# Altium PCB PCB1.PcbDoc (part 6 of 6)
Units mil, origin at the board's own origin, x right, y up, seen from the top; angles counter-clockwise.
Board outline 6000 x 4000 mil, 2 copper layers (Top Layer, Bottom Layer); 1225 components, 1503 nets, 4471 pads, 66 vias.
Unrouted connection lines stored in the file: 2021.
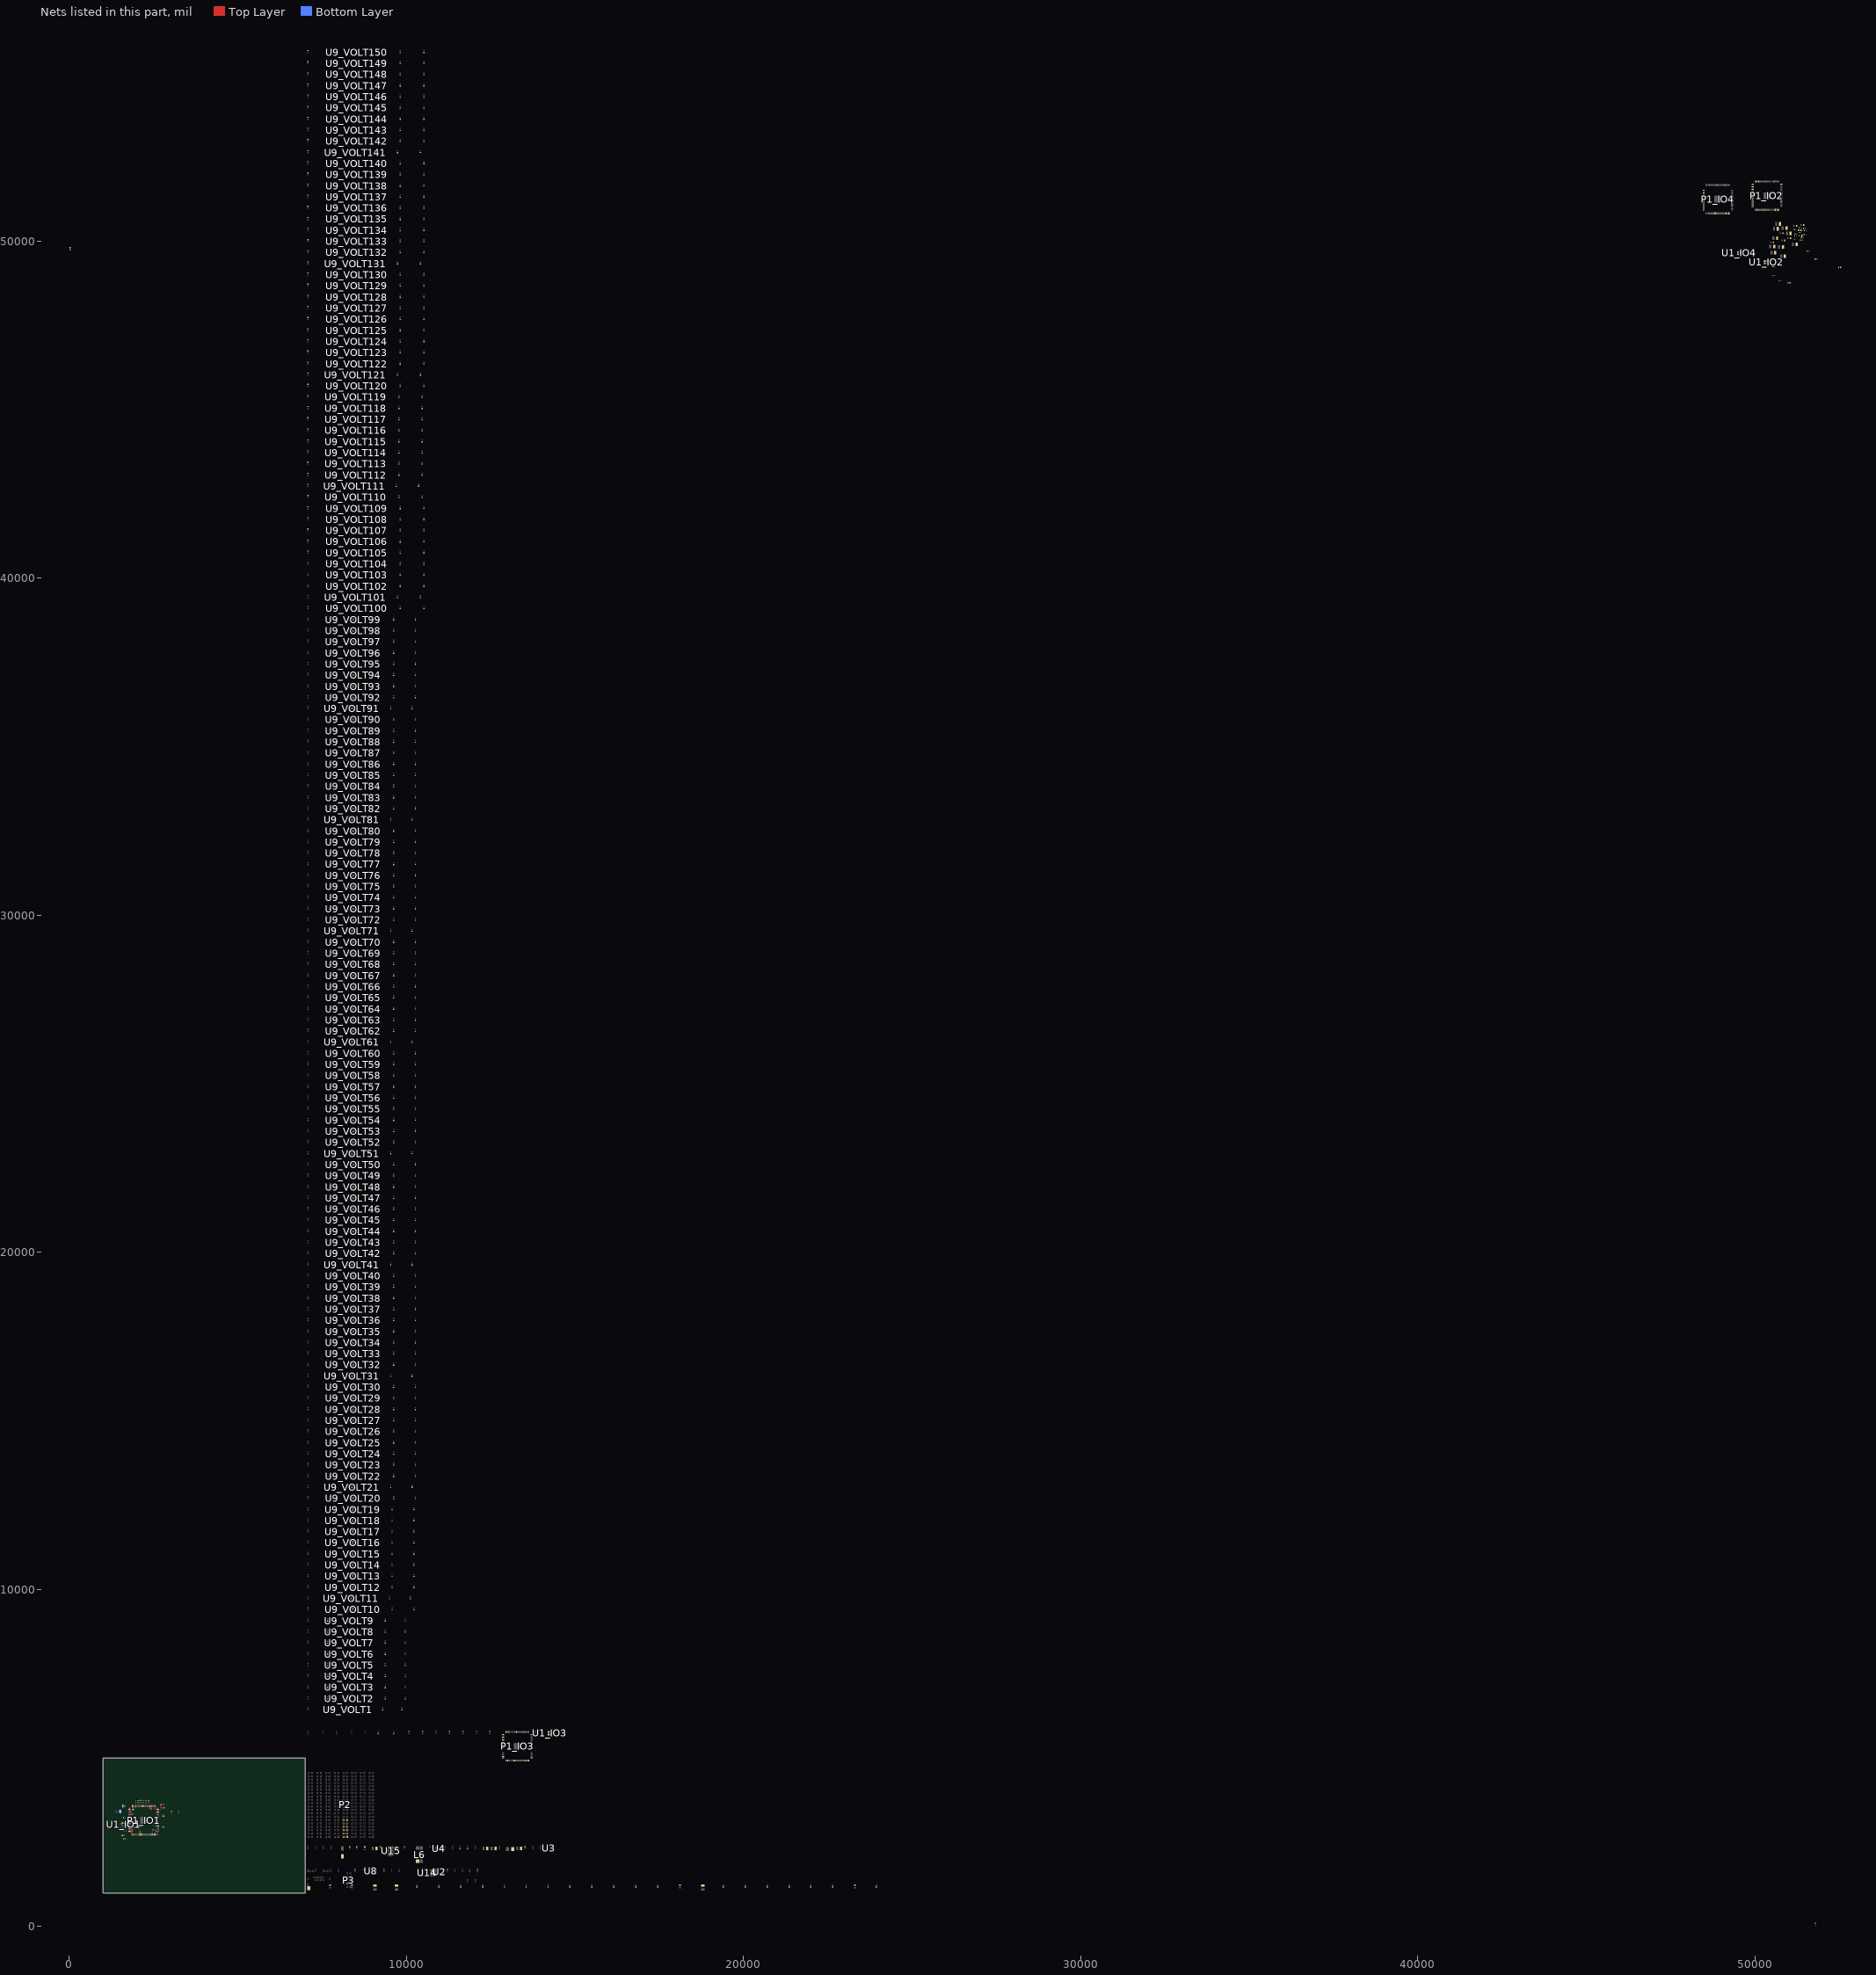
[diagram p6: the nets of this part, all layers, seen from the top]

## Via types
v1: diameter 24, hole 12, Top Layer to Bottom Layer, 66 vias

## Nets (pads, with @x,y where several pads share a name; then routed paths per layer and width w, separated by ;. In a path a pad name is that pad's centre, name@x,y a point inside that pad or via, vN(x,y) a via of type N, cw(c..) or ccw(c..) an arc to the next point about the centre after c; other vN are vias at no path point) (continued)
V_IN_1_VOLT105: R28_VOLT105.1
V_IN_1_VOLT106: R28_VOLT106.1
V_IN_1_VOLT107: R28_VOLT107.1
V_IN_1_VOLT108: R28_VOLT108.1
V_IN_1_VOLT109: R28_VOLT109.1
V_IN_1_VOLT110: R28_VOLT110.1
V_IN_1_VOLT111: R28_VOLT111.1
V_IN_1_VOLT112: R28_VOLT112.1
V_IN_1_VOLT113: R28_VOLT113.1
V_IN_1_VOLT114: R28_VOLT114.1
V_IN_1_VOLT115: R28_VOLT115.1
V_IN_1_VOLT116: R28_VOLT116.1
V_IN_1_VOLT117: R28_VOLT117.1
V_IN_1_VOLT118: R28_VOLT118.1
V_IN_1_VOLT119: R28_VOLT119.1
V_IN_1_VOLT120: R28_VOLT120.1
V_IN_1_VOLT121: R28_VOLT121.1
V_IN_1_VOLT122: R28_VOLT122.1
V_IN_1_VOLT123: R28_VOLT123.1
V_IN_1_VOLT124: R28_VOLT124.1
V_IN_1_VOLT125: R28_VOLT125.1
V_IN_1_VOLT126: R28_VOLT126.1
V_IN_1_VOLT127: R28_VOLT127.1
V_IN_1_VOLT128: R28_VOLT128.1
V_IN_1_VOLT129: R28_VOLT129.1
V_IN_1_VOLT130: R28_VOLT130.1
V_IN_1_VOLT131: R28_VOLT131.1
V_IN_1_VOLT132: R28_VOLT132.1
V_IN_1_VOLT133: R28_VOLT133.1
V_IN_1_VOLT134: R28_VOLT134.1
V_IN_1_VOLT135: R28_VOLT135.1
V_IN_1_VOLT136: R28_VOLT136.1
V_IN_1_VOLT137: R28_VOLT137.1
V_IN_1_VOLT138: R28_VOLT138.1
V_IN_1_VOLT139: R28_VOLT139.1
V_IN_1_VOLT140: R28_VOLT140.1
V_IN_1_VOLT141: R28_VOLT141.1
V_IN_1_VOLT142: R28_VOLT142.1
V_IN_1_VOLT143: R28_VOLT143.1
V_IN_1_VOLT144: R28_VOLT144.1
V_IN_1_VOLT145: R28_VOLT145.1
V_IN_1_VOLT146: R28_VOLT146.1
V_IN_1_VOLT147: R28_VOLT147.1
V_IN_1_VOLT148: R28_VOLT148.1
V_IN_1_VOLT149: R28_VOLT149.1
V_IN_1_VOLT150: R28_VOLT150.1
V_OUT_0_VOLT1: R27_VOLT1.2
V_OUT_0_VOLT2: R27_VOLT2.2
V_OUT_0_VOLT3: R27_VOLT3.2
V_OUT_0_VOLT4: R27_VOLT4.2
V_OUT_0_VOLT5: R27_VOLT5.2
V_OUT_0_VOLT6: R27_VOLT6.2
V_OUT_0_VOLT7: R27_VOLT7.2
V_OUT_0_VOLT8: R27_VOLT8.2
V_OUT_0_VOLT9: R27_VOLT9.2
V_OUT_0_VOLT10: R27_VOLT10.2
V_OUT_0_VOLT11: R27_VOLT11.2
V_OUT_0_VOLT12: R27_VOLT12.2
V_OUT_0_VOLT13: R27_VOLT13.2
V_OUT_0_VOLT14: R27_VOLT14.2
V_OUT_0_VOLT15: R27_VOLT15.2
V_OUT_0_VOLT16: R27_VOLT16.2
V_OUT_0_VOLT17: R27_VOLT17.2
V_OUT_0_VOLT18: R27_VOLT18.2
V_OUT_0_VOLT19: R27_VOLT19.2
V_OUT_0_VOLT20: R27_VOLT20.2
V_OUT_0_VOLT21: R27_VOLT21.2
V_OUT_0_VOLT22: R27_VOLT22.2
V_OUT_0_VOLT23: R27_VOLT23.2
V_OUT_0_VOLT24: R27_VOLT24.2
V_OUT_0_VOLT25: R27_VOLT25.2
V_OUT_0_VOLT26: R27_VOLT26.2
V_OUT_0_VOLT27: R27_VOLT27.2
V_OUT_0_VOLT28: R27_VOLT28.2
V_OUT_0_VOLT29: R27_VOLT29.2
V_OUT_0_VOLT30: R27_VOLT30.2
V_OUT_0_VOLT31: R27_VOLT31.2
V_OUT_0_VOLT32: R27_VOLT32.2
V_OUT_0_VOLT33: R27_VOLT33.2
V_OUT_0_VOLT34: R27_VOLT34.2
V_OUT_0_VOLT35: R27_VOLT35.2
V_OUT_0_VOLT36: R27_VOLT36.2
V_OUT_0_VOLT37: R27_VOLT37.2
V_OUT_0_VOLT38: R27_VOLT38.2
V_OUT_0_VOLT39: R27_VOLT39.2
V_OUT_0_VOLT40: R27_VOLT40.2
V_OUT_0_VOLT41: R27_VOLT41.2
V_OUT_0_VOLT42: R27_VOLT42.2
V_OUT_0_VOLT43: R27_VOLT43.2
V_OUT_0_VOLT44: R27_VOLT44.2
V_OUT_0_VOLT45: R27_VOLT45.2
V_OUT_0_VOLT46: R27_VOLT46.2
V_OUT_0_VOLT47: R27_VOLT47.2
V_OUT_0_VOLT48: R27_VOLT48.2
V_OUT_0_VOLT49: R27_VOLT49.2
V_OUT_0_VOLT50: R27_VOLT50.2
V_OUT_0_VOLT51: R27_VOLT51.2
V_OUT_0_VOLT52: R27_VOLT52.2
V_OUT_0_VOLT53: R27_VOLT53.2
V_OUT_0_VOLT54: R27_VOLT54.2
V_OUT_0_VOLT55: R27_VOLT55.2
V_OUT_0_VOLT56: R27_VOLT56.2
V_OUT_0_VOLT57: R27_VOLT57.2
V_OUT_0_VOLT58: R27_VOLT58.2
V_OUT_0_VOLT59: R27_VOLT59.2
V_OUT_0_VOLT60: R27_VOLT60.2
V_OUT_0_VOLT61: R27_VOLT61.2
V_OUT_0_VOLT62: R27_VOLT62.2
V_OUT_0_VOLT63: R27_VOLT63.2
V_OUT_0_VOLT64: R27_VOLT64.2
V_OUT_0_VOLT65: R27_VOLT65.2
V_OUT_0_VOLT66: R27_VOLT66.2
V_OUT_0_VOLT67: R27_VOLT67.2
V_OUT_0_VOLT68: R27_VOLT68.2
V_OUT_0_VOLT69: R27_VOLT69.2
V_OUT_0_VOLT70: R27_VOLT70.2
V_OUT_0_VOLT71: R27_VOLT71.2
V_OUT_0_VOLT72: R27_VOLT72.2
V_OUT_0_VOLT73: R27_VOLT73.2
V_OUT_0_VOLT74: R27_VOLT74.2
V_OUT_0_VOLT75: R27_VOLT75.2
V_OUT_0_VOLT76: R27_VOLT76.2
V_OUT_0_VOLT77: R27_VOLT77.2
V_OUT_0_VOLT78: R27_VOLT78.2
V_OUT_0_VOLT79: R27_VOLT79.2
V_OUT_0_VOLT80: R27_VOLT80.2
V_OUT_0_VOLT81: R27_VOLT81.2
V_OUT_0_VOLT82: R27_VOLT82.2
V_OUT_0_VOLT83: R27_VOLT83.2
V_OUT_0_VOLT84: R27_VOLT84.2
V_OUT_0_VOLT85: R27_VOLT85.2
V_OUT_0_VOLT86: R27_VOLT86.2
V_OUT_0_VOLT87: R27_VOLT87.2
V_OUT_0_VOLT88: R27_VOLT88.2
V_OUT_0_VOLT89: R27_VOLT89.2
V_OUT_0_VOLT90: R27_VOLT90.2
V_OUT_0_VOLT91: R27_VOLT91.2
V_OUT_0_VOLT92: R27_VOLT92.2
V_OUT_0_VOLT93: R27_VOLT93.2
V_OUT_0_VOLT94: R27_VOLT94.2
V_OUT_0_VOLT95: R27_VOLT95.2
V_OUT_0_VOLT96: R27_VOLT96.2
V_OUT_0_VOLT97: R27_VOLT97.2
V_OUT_0_VOLT98: R27_VOLT98.2
V_OUT_0_VOLT99: R27_VOLT99.2
V_OUT_0_VOLT100: R27_VOLT100.2
V_OUT_0_VOLT101: R27_VOLT101.2
V_OUT_0_VOLT102: R27_VOLT102.2
V_OUT_0_VOLT103: R27_VOLT103.2
V_OUT_0_VOLT104: R27_VOLT104.2
V_OUT_0_VOLT105: R27_VOLT105.2
V_OUT_0_VOLT106: R27_VOLT106.2
V_OUT_0_VOLT107: R27_VOLT107.2
V_OUT_0_VOLT108: R27_VOLT108.2
V_OUT_0_VOLT109: R27_VOLT109.2
V_OUT_0_VOLT110: R27_VOLT110.2
V_OUT_0_VOLT111: R27_VOLT111.2
V_OUT_0_VOLT112: R27_VOLT112.2
V_OUT_0_VOLT113: R27_VOLT113.2
V_OUT_0_VOLT114: R27_VOLT114.2
V_OUT_0_VOLT115: R27_VOLT115.2
V_OUT_0_VOLT116: R27_VOLT116.2
V_OUT_0_VOLT117: R27_VOLT117.2
V_OUT_0_VOLT118: R27_VOLT118.2
V_OUT_0_VOLT119: R27_VOLT119.2
V_OUT_0_VOLT120: R27_VOLT120.2
V_OUT_0_VOLT121: R27_VOLT121.2
V_OUT_0_VOLT122: R27_VOLT122.2
V_OUT_0_VOLT123: R27_VOLT123.2
V_OUT_0_VOLT124: R27_VOLT124.2
V_OUT_0_VOLT125: R27_VOLT125.2
V_OUT_0_VOLT126: R27_VOLT126.2
V_OUT_0_VOLT127: R27_VOLT127.2
V_OUT_0_VOLT128: R27_VOLT128.2
V_OUT_0_VOLT129: R27_VOLT129.2
V_OUT_0_VOLT130: R27_VOLT130.2
V_OUT_0_VOLT131: R27_VOLT131.2
V_OUT_0_VOLT132: R27_VOLT132.2
V_OUT_0_VOLT133: R27_VOLT133.2
V_OUT_0_VOLT134: R27_VOLT134.2
V_OUT_0_VOLT135: R27_VOLT135.2
V_OUT_0_VOLT136: R27_VOLT136.2
V_OUT_0_VOLT137: R27_VOLT137.2
V_OUT_0_VOLT138: R27_VOLT138.2
V_OUT_0_VOLT139: R27_VOLT139.2
V_OUT_0_VOLT140: R27_VOLT140.2
V_OUT_0_VOLT141: R27_VOLT141.2
V_OUT_0_VOLT142: R27_VOLT142.2
V_OUT_0_VOLT143: R27_VOLT143.2
V_OUT_0_VOLT144: R27_VOLT144.2
V_OUT_0_VOLT145: R27_VOLT145.2
V_OUT_0_VOLT146: R27_VOLT146.2
V_OUT_0_VOLT147: R27_VOLT147.2
V_OUT_0_VOLT148: R27_VOLT148.2
V_OUT_0_VOLT149: R27_VOLT149.2
V_OUT_0_VOLT150: R27_VOLT150.2
V_OUT_1_VOLT1: R29_VOLT1.2
V_OUT_1_VOLT2: R29_VOLT2.2
V_OUT_1_VOLT3: R29_VOLT3.2
V_OUT_1_VOLT4: R29_VOLT4.2
V_OUT_1_VOLT5: R29_VOLT5.2
V_OUT_1_VOLT6: R29_VOLT6.2
V_OUT_1_VOLT7: R29_VOLT7.2
V_OUT_1_VOLT8: R29_VOLT8.2
V_OUT_1_VOLT9: R29_VOLT9.2
V_OUT_1_VOLT10: R29_VOLT10.2
V_OUT_1_VOLT11: R29_VOLT11.2
V_OUT_1_VOLT12: R29_VOLT12.2
V_OUT_1_VOLT13: R29_VOLT13.2
V_OUT_1_VOLT14: R29_VOLT14.2
V_OUT_1_VOLT15: R29_VOLT15.2
V_OUT_1_VOLT16: R29_VOLT16.2
V_OUT_1_VOLT17: R29_VOLT17.2
V_OUT_1_VOLT18: R29_VOLT18.2
V_OUT_1_VOLT19: R29_VOLT19.2
V_OUT_1_VOLT20: R29_VOLT20.2
V_OUT_1_VOLT21: R29_VOLT21.2
V_OUT_1_VOLT22: R29_VOLT22.2
V_OUT_1_VOLT23: R29_VOLT23.2
V_OUT_1_VOLT24: R29_VOLT24.2
V_OUT_1_VOLT25: R29_VOLT25.2
V_OUT_1_VOLT26: R29_VOLT26.2
V_OUT_1_VOLT27: R29_VOLT27.2
V_OUT_1_VOLT28: R29_VOLT28.2
V_OUT_1_VOLT29: R29_VOLT29.2
V_OUT_1_VOLT30: R29_VOLT30.2
V_OUT_1_VOLT31: R29_VOLT31.2
V_OUT_1_VOLT32: R29_VOLT32.2
V_OUT_1_VOLT33: R29_VOLT33.2
V_OUT_1_VOLT34: R29_VOLT34.2
V_OUT_1_VOLT35: R29_VOLT35.2
V_OUT_1_VOLT36: R29_VOLT36.2
V_OUT_1_VOLT37: R29_VOLT37.2
V_OUT_1_VOLT38: R29_VOLT38.2
V_OUT_1_VOLT39: R29_VOLT39.2
V_OUT_1_VOLT40: R29_VOLT40.2
V_OUT_1_VOLT41: R29_VOLT41.2
V_OUT_1_VOLT42: R29_VOLT42.2
V_OUT_1_VOLT43: R29_VOLT43.2
V_OUT_1_VOLT44: R29_VOLT44.2
V_OUT_1_VOLT45: R29_VOLT45.2
V_OUT_1_VOLT46: R29_VOLT46.2
V_OUT_1_VOLT47: R29_VOLT47.2
V_OUT_1_VOLT48: R29_VOLT48.2
V_OUT_1_VOLT49: R29_VOLT49.2
V_OUT_1_VOLT50: R29_VOLT50.2
V_OUT_1_VOLT51: R29_VOLT51.2
V_OUT_1_VOLT52: R29_VOLT52.2
V_OUT_1_VOLT53: R29_VOLT53.2
V_OUT_1_VOLT54: R29_VOLT54.2
V_OUT_1_VOLT55: R29_VOLT55.2
V_OUT_1_VOLT56: R29_VOLT56.2
V_OUT_1_VOLT57: R29_VOLT57.2
V_OUT_1_VOLT58: R29_VOLT58.2
V_OUT_1_VOLT59: R29_VOLT59.2
V_OUT_1_VOLT60: R29_VOLT60.2
V_OUT_1_VOLT61: R29_VOLT61.2
V_OUT_1_VOLT62: R29_VOLT62.2
V_OUT_1_VOLT63: R29_VOLT63.2
V_OUT_1_VOLT64: R29_VOLT64.2
V_OUT_1_VOLT65: R29_VOLT65.2
V_OUT_1_VOLT66: R29_VOLT66.2
V_OUT_1_VOLT67: R29_VOLT67.2
V_OUT_1_VOLT68: R29_VOLT68.2
V_OUT_1_VOLT69: R29_VOLT69.2
V_OUT_1_VOLT70: R29_VOLT70.2
V_OUT_1_VOLT71: R29_VOLT71.2
V_OUT_1_VOLT72: R29_VOLT72.2
V_OUT_1_VOLT73: R29_VOLT73.2
V_OUT_1_VOLT74: R29_VOLT74.2
V_OUT_1_VOLT75: R29_VOLT75.2
V_OUT_1_VOLT76: R29_VOLT76.2
V_OUT_1_VOLT77: R29_VOLT77.2
V_OUT_1_VOLT78: R29_VOLT78.2
V_OUT_1_VOLT79: R29_VOLT79.2
V_OUT_1_VOLT80: R29_VOLT80.2
V_OUT_1_VOLT81: R29_VOLT81.2
V_OUT_1_VOLT82: R29_VOLT82.2
V_OUT_1_VOLT83: R29_VOLT83.2
V_OUT_1_VOLT84: R29_VOLT84.2
V_OUT_1_VOLT85: R29_VOLT85.2
V_OUT_1_VOLT86: R29_VOLT86.2
V_OUT_1_VOLT87: R29_VOLT87.2
V_OUT_1_VOLT88: R29_VOLT88.2
V_OUT_1_VOLT89: R29_VOLT89.2
V_OUT_1_VOLT90: R29_VOLT90.2
V_OUT_1_VOLT91: R29_VOLT91.2
V_OUT_1_VOLT92: R29_VOLT92.2
V_OUT_1_VOLT93: R29_VOLT93.2
V_OUT_1_VOLT94: R29_VOLT94.2
V_OUT_1_VOLT95: R29_VOLT95.2
V_OUT_1_VOLT96: R29_VOLT96.2
V_OUT_1_VOLT97: R29_VOLT97.2
V_OUT_1_VOLT98: R29_VOLT98.2
V_OUT_1_VOLT99: R29_VOLT99.2
V_OUT_1_VOLT100: R29_VOLT100.2
V_OUT_1_VOLT101: R29_VOLT101.2
V_OUT_1_VOLT102: R29_VOLT102.2
V_OUT_1_VOLT103: R29_VOLT103.2
V_OUT_1_VOLT104: R29_VOLT104.2
V_OUT_1_VOLT105: R29_VOLT105.2
V_OUT_1_VOLT106: R29_VOLT106.2
V_OUT_1_VOLT107: R29_VOLT107.2
V_OUT_1_VOLT108: R29_VOLT108.2
V_OUT_1_VOLT109: R29_VOLT109.2
V_OUT_1_VOLT110: R29_VOLT110.2
V_OUT_1_VOLT111: R29_VOLT111.2
V_OUT_1_VOLT112: R29_VOLT112.2
V_OUT_1_VOLT113: R29_VOLT113.2
V_OUT_1_VOLT114: R29_VOLT114.2
V_OUT_1_VOLT115: R29_VOLT115.2
V_OUT_1_VOLT116: R29_VOLT116.2
V_OUT_1_VOLT117: R29_VOLT117.2
V_OUT_1_VOLT118: R29_VOLT118.2
V_OUT_1_VOLT119: R29_VOLT119.2
V_OUT_1_VOLT120: R29_VOLT120.2
V_OUT_1_VOLT121: R29_VOLT121.2
V_OUT_1_VOLT122: R29_VOLT122.2
V_OUT_1_VOLT123: R29_VOLT123.2
V_OUT_1_VOLT124: R29_VOLT124.2
V_OUT_1_VOLT125: R29_VOLT125.2
V_OUT_1_VOLT126: R29_VOLT126.2
V_OUT_1_VOLT127: R29_VOLT127.2
V_OUT_1_VOLT128: R29_VOLT128.2
V_OUT_1_VOLT129: R29_VOLT129.2
V_OUT_1_VOLT130: R29_VOLT130.2
V_OUT_1_VOLT131: R29_VOLT131.2
V_OUT_1_VOLT132: R29_VOLT132.2
V_OUT_1_VOLT133: R29_VOLT133.2
V_OUT_1_VOLT134: R29_VOLT134.2
V_OUT_1_VOLT135: R29_VOLT135.2
V_OUT_1_VOLT136: R29_VOLT136.2
V_OUT_1_VOLT137: R29_VOLT137.2
V_OUT_1_VOLT138: R29_VOLT138.2
V_OUT_1_VOLT139: R29_VOLT139.2
V_OUT_1_VOLT140: R29_VOLT140.2
V_OUT_1_VOLT141: R29_VOLT141.2
V_OUT_1_VOLT142: R29_VOLT142.2
V_OUT_1_VOLT143: R29_VOLT143.2
V_OUT_1_VOLT144: R29_VOLT144.2
V_OUT_1_VOLT145: R29_VOLT145.2
V_OUT_1_VOLT146: R29_VOLT146.2
V_OUT_1_VOLT147: R29_VOLT147.2
V_OUT_1_VOLT148: R29_VOLT148.2
V_OUT_1_VOLT149: R29_VOLT149.2
V_OUT_1_VOLT150: R29_VOLT150.2
V_OUT_151: P2.1
V_OUT_152: P2.2
V_OUT_153: P2.3
V_OUT_154: P2.4
V_OUT_155: P2.5
V_OUT_156: P2.6
V_OUT_157: P2.7
V_OUT_158: P2.8
V_OUT_159: P2.9
V_OUT_160: P2.10
V_OUT_161: P2.11
V_OUT_162: P2.12
VCC3P3: R10.1 R11.1
VCC_3V3: C1_IO1.2 C1_IO2.2 C1_IO3.2 C1_IO4.2 C2_POWER1.1 C2_POWER2.1 C2_POWER3.1 C2_POWER4.1 C4_POWER1.1 C4_POWER2.1 C4_POWER3.1 C4_POWER4.1 C5_POWER1.1 C5_POWER2.1 C5_POWER3.1 C5_POWER4.1 C7_POWER1.1 C7_POWER2.1 C7_POWER3.1 C7_POWER4.1 C10_POWER1.2 C10_POWER2.2 C10_POWER3.2 C10_POWER4.2 C11_POWER1.2 C11_POWER2.2 C11_POWER3.2 C11_POWER4.2 C25.1 C26.2 C27.2 C42.2 L1_POWER1.1 L1_POWER2.1 L1_POWER3.1 L1_POWER4.1 L2_POWER1.1 L2_POWER2.1 L2_POWER3.1 L2_POWER4.1 L3_POWER1.1 L3_POWER2.1 L3_POWER3.1 L3_POWER4.1 L5.2 P3.4 R18.2 R22.1 U1_IO1.1 U1_IO1.4 U1_IO2.1 U1_IO2.4 U1_IO3.1 U1_IO3.4 U1_IO4.1 U1_IO4.4 U2.16 U4.7 U4.8 U8.5 U14.7 U14.16 | length 65
  Top Layer w15: U1_IO1.1@1580,3070 U1_IO1.4@1644.96,3070
  other v1: 1555,3072 2804,3622
VCC_12V: C19.2 C20.2 C28.2 C29.2 C30.2 L6.1 R15.2 U3.2 U15.3
VCC_A: C8_POWER1.1 C8_POWER2.1 C8_POWER3.1 C8_POWER4.1 C9_POWER1.1 C9_POWER2.1 C9_POWER3.1 C9_POWER4.1 C48_POWER1.1 C48_POWER2.1 C48_POWER3.1 C48_POWER4.1 C49_POWER1.1 C49_POWER2.1 C49_POWER3.1 C49_POWER4.1 C50_POWER1.1 C50_POWER2.1 C50_POWER3.1 C50_POWER4.1 C51_POWER1.1 C51_POWER2.1 C51_POWER3.1 C51_POWER4.1 C52_POWER1.1 C52_POWER2.1 C52_POWER3.1 C52_POWER4.1 C53_POWER1.1 C53_POWER2.1 C53_POWER3.1 C53_POWER4.1 C54_POWER1.1 C54_POWER2.1 C54_POWER3.1 C54_POWER4.1 C55_POWER1.2 C55_POWER2.2 C55_POWER3.2 C55_POWER4.2 C56_POWER1.2 C56_POWER2.2 C56_POWER3.2 C56_POWER4.2 L2_POWER1.2 L2_POWER2.2 L2_POWER3.2 L2_POWER4.2 P1_IO1.2 P1_IO1.5 P1_IO1.34 P1_IO1.35 P1_IO1.71 P1_IO1.107 P1_IO1.143 P1_IO2.2 P1_IO2.5 P1_IO2.34 P1_IO2.35 P1_IO2.71 P1_IO2.107 P1_IO2.143 P1_IO3.2 P1_IO3.5 P1_IO3.34 P1_IO3.35 P1_IO3.71 P1_IO3.107 P1_IO3.143 P1_IO4.2 P1_IO4.5 P1_IO4.34 P1_IO4.35 P1_IO4.71 P1_IO4.107 P1_IO4.143 | length 417.2
  Top Layer w10: 1764.99,2837.39 1825.39,2837.39 1845,2857 1845.21,2857 1854.21,2866 v1(1858,2866) ; P1_IO1.5@1790.51,3417.99 1791.06,3417.45 1850.22,3417.45 v1(1850.77,3416.9) ; P1_IO1.2@1790.51,3477.05 1790.76,3477.29 1847.06,3477.29 v1(1847.3,3477.54) ; v1(1880.32,3519.53) 1880.46,3519.53 1888.46,3527.53 P1_IO1.143@1888.46,3575 ; v1@2539,2772 2538.04,2771.04 P1_IO1.71@2538.04,2729.52 ; v1@2552,3456 2573.05,3477.05 P1_IO1.107@2636.02,3477.05 ; P1_IO1.71@2538.04,2729.52 P1_IO1.71@2538.07,2729.49
  other v1: 2538,2774 2550.3,3455.61
VCC_IO: C14_POWER1.1 C14_POWER2.1 C14_POWER3.1 C14_POWER4.1 C15_POWER1.1 C15_POWER2.1 C15_POWER3.1 C15_POWER4.1 C16_POWER1.1 C16_POWER2.1 C16_POWER3.1 C16_POWER4.1 C57_POWER1.1 C57_POWER2.1 C57_POWER3.1 C57_POWER4.1 C58_POWER1.1 C58_POWER2.1 C58_POWER3.1 C58_POWER4.1 C59_POWER1.1 C59_POWER2.1 C59_POWER3.1 C59_POWER4.1 C60_POWER1.1 C60_POWER2.1 C60_POWER3.1 C60_POWER4.1 C61_POWER1.1 C61_POWER2.1 C61_POWER3.1 C61_POWER4.1 C62_POWER1.1 C62_POWER2.1 C62_POWER3.1 C62_POWER4.1 C64_POWER1.1 C64_POWER2.1 C64_POWER3.1 C64_POWER4.1 C65_POWER1.1 C65_POWER2.1 C65_POWER3.1 C65_POWER4.1 C66_POWER1.1 C66_POWER2.1 C66_POWER3.1 C66_POWER4.1 C67_POWER1.1 C67_POWER2.1 C67_POWER3.1 C67_POWER4.1 C68_POWER1.1 C68_POWER2.1 C68_POWER3.1 C68_POWER4.1 C69_POWER1.2 C69_POWER2.2 C69_POWER3.2 C69_POWER4.2 C70_POWER1.2 C70_POWER2.2 C70_POWER3.2 C70_POWER4.2 C71_POWER1.2 C71_POWER2.2 C71_POWER3.2 C71_POWER4.2 C72_POWER1.2 C72_POWER2.2 C72_POWER3.2 C72_POWER4.2 L3_POWER1.2 L3_POWER2.2 L3_POWER3.2 L3_POWER4.2 P1_IO1.9 P1_IO1.23 P1_IO1.31 P1_IO1.40 P1_IO1.49 P1_IO1.67 P1_IO1.82 P1_IO1.94 P1_IO1.103 P1_IO1.117 P1_IO1.128 P1_IO1.139 P1_IO2.9 P1_IO2.23 P1_IO2.31 P1_IO2.40 P1_IO2.49 P1_IO2.67 P1_IO2.82 P1_IO2.94 P1_IO2.103 P1_IO2.117 P1_IO2.128 P1_IO2.139 P1_IO3.9 P1_IO3.23 P1_IO3.31 P1_IO3.40 P1_IO3.49 P1_IO3.67 P1_IO3.82 P1_IO3.94 P1_IO3.103 P1_IO3.117 P1_IO3.128 P1_IO3.139 P1_IO4.9 P1_IO4.23 P1_IO4.31 P1_IO4.40 P1_IO4.49 P1_IO4.67 P1_IO4.82 P1_IO4.94 P1_IO4.103 P1_IO4.117 P1_IO4.128 P1_IO4.139 R1_IO1.1 R1_IO2.1 R1_IO3.1 R1_IO4.1 R2_IO1.1 R2_IO2.1 R2_IO3.1 R2_IO4.1 R3_IO1.1 R3_IO2.1 R3_IO3.1 R3_IO4.1 R4_IO1.1 R4_IO2.1 R4_IO3.1 R4_IO4.1 R5_IO1.1 R5_IO2.1 R5_IO3.1 R5_IO4.1 R6_IO1.1 R6_IO2.1 R6_IO3.1 R6_IO4.1 R7_IO1.1 R7_IO2.1 R7_IO3.1 R7_IO4.1 R14_IO1.2 R14_IO2.2 R14_IO3.2 R14_IO4.2 R20_IO1.2 R20_IO2.2 R20_IO3.2 R20_IO4.2 R30.1 R31.1 R33.1 R34.1 | length 855.6
  Top Layer w10: P1_IO1.31@1790.51,2906.18 1790.77,2905.92 1826.92,2905.92 v1(1853,2932) ; P1_IO1.23@1790.51,3063.66 v1(1839.46,3063.66) ; P1_IO1.9@1790.51,3339.25 1791.39,3340.13 1852.99,3340.13 v1@1854.58,3341.71 ; v1(1927.49,2774.66) 1927.49,2729.84 P1_IO1.40@1927.83,2729.49 ; v1(1967.2,3526.05) P1_IO1.139@1967.2,3575 ; P1_IO1.49@2105,2729.49 2105.5,2729.99 2105.5,2791.5 v1(2106,2792) ; v1(2183.74,3526.05) P1_IO1.128@2183.74,3575 ; v1(2375.95,3509.12) 2400.28,3533.44 P1_IO1.117@2400.28,3575 ; v1(2440.45,2777.52) 2443.52,2777.52 2458.43,2762.62 2458.43,2730.39 P1_IO1.67@2459.33,2729.49 ; v1(2576.24,3388.94) 2580.02,3388.94 2589.39,3398.31 P1_IO1.103@2636.02,3398.31 ; v1(2580.05,3211.81) 2583.31,3211.81 2592.9,3221.4 2635.76,3221.4 P1_IO1.94@2636.02,3221.14 ; v1(2582.48,2975.23) 2586.27,2975.23 2597.15,2986.1 2606.97,2986.1 2607.25,2985.83 2635.12,2985.83 P1_IO1.82@2636.02,2984.92 ; L3_POWER1.2@2725,3620 2725,3534.88 2739.88,3520
  Bottom Layer w10: v1(2440.45,2777.52) 2442.2,2777.52 2467.28,2752.44 2470,2752.44
  other v1: 2804,2969 1585,3221 2804,3304 1854,3341 2718,3479 2760,3561 2082,3757 2145,3757 1974,3758 2033,3758 2285,3758 2361,3758
VCC_ONE: C3_POWER1.1 C3_POWER2.1 C3_POWER3.1 C3_POWER4.1 C6_POWER1.1 C6_POWER2.1 C6_POWER3.1 C6_POWER4.1 C12_POWER1.1 C12_POWER2.1 C12_POWER3.1 C12_POWER4.1 C13_POWER1.1 C13_POWER2.1 C13_POWER3.1 C13_POWER4.1 C17_POWER1.1 C17_POWER2.1 C17_POWER3.1 C17_POWER4.1 C23_POWER1.1 C23_POWER2.1 C23_POWER3.1 C23_POWER4.1 C24_POWER1.1 C24_POWER2.1 C24_POWER3.1 C24_POWER4.1 C45_POWER1.1 C45_POWER2.1 C45_POWER3.1 C45_POWER4.1 C46_POWER1.2 C46_POWER2.2 C46_POWER3.2 C46_POWER4.2 C47_POWER1.1 C47_POWER2.1 C47_POWER3.1 C47_POWER4.1 L1_POWER1.2 L1_POWER2.2 L1_POWER3.2 L1_POWER4.2 P1_IO1.1 P1_IO1.36 P1_IO1.37 P1_IO1.51 P1_IO1.72 P1_IO1.73 P1_IO1.108 P1_IO1.109 P1_IO1.115 P1_IO1.144 P1_IO2.1 P1_IO2.36 P1_IO2.37 P1_IO2.51 P1_IO2.72 P1_IO2.73 P1_IO2.108 P1_IO2.109 P1_IO2.115 P1_IO2.144 P1_IO3.1 P1_IO3.36 P1_IO3.37 P1_IO3.51 P1_IO3.72 P1_IO3.73 P1_IO3.108 P1_IO3.109 P1_IO3.115 P1_IO3.144 P1_IO4.1 P1_IO4.36 P1_IO4.37 P1_IO4.51 P1_IO4.72 P1_IO4.73 P1_IO4.108 P1_IO4.109 P1_IO4.115 P1_IO4.144 | length 557.6
  Top Layer w10: v1(1789.9,3520.63) 1789.9,3497.35 P1_IO1.1@1790.51,3496.73 P1_IO1.1@1790.76,3496.49 ; P1_IO1.36@1790.51,2807.76 1790.63,2807.88 1855.88,2807.88 1855.88,2804.33 1868.78,2791.43 P1_IO1.37@1868.78,2729.49 ; v1(1848.76,3575.1) 1848.86,3575 P1_IO1.144@1868.78,3575 P1_IO1.144@1869.02,3575.24 ; P1_IO1.51@2144.37,2729.49 v1(2144.37,2778.44) ; P1_IO1.115@2439.65,3575 2439.65,3531.67 2451.46,3519.85 v1(2451.46,3517.03) ; P1_IO1.72@2557.76,2729.49 P1_IO1.72@2557.76,2729.49 v1(2589.42,2729.53) ; P1_IO1.109@2557.76,3575 2559.43,3576.67 v1(2579.38,3576.67) ; v1(2573.88,2867.03) 2573.88,2837.67 2602.89,2808.66 2635.12,2808.66 P1_IO1.73@2636.02,2807.76 ; v1(2573.98,3509.96) 2587.2,3496.73 P1_IO1.108@2636.02,3496.73
  Bottom Layer w10: C3_POWER1.1@2435,3497.56 2451.46,3514.02 v1(2451.46,3517.03)
  other v1: 1856,2808
VCC_OUT: C31.2 C32.2 C33.1 C34_VOLT1.1 C34_VOLT2.1 C34_VOLT3.1 C34_VOLT4.1 C34_VOLT5.1 C34_VOLT6.1 C34_VOLT7.1 C34_VOLT8.1 C34_VOLT9.1 C34_VOLT10.1 C34_VOLT11.1 C34_VOLT12.1 C34_VOLT13.1 C34_VOLT14.1 C34_VOLT15.1 C34_VOLT16.1 C34_VOLT17.1 C34_VOLT18.1 C34_VOLT19.1 C34_VOLT20.1 C34_VOLT21.1 C34_VOLT22.1 C34_VOLT23.1 C34_VOLT24.1 C34_VOLT25.1 C34_VOLT26.1 C34_VOLT27.1 C34_VOLT28.1 C34_VOLT29.1 C34_VOLT30.1 C34_VOLT31.1 C34_VOLT32.1 C34_VOLT33.1 C34_VOLT34.1 C34_VOLT35.1 C34_VOLT36.1 C34_VOLT37.1 C34_VOLT38.1 C34_VOLT39.1 C34_VOLT40.1 C34_VOLT41.1 C34_VOLT42.1 C34_VOLT43.1 C34_VOLT44.1 C34_VOLT45.1 C34_VOLT46.1 C34_VOLT47.1 C34_VOLT48.1 C34_VOLT49.1 C34_VOLT50.1 C34_VOLT51.1 C34_VOLT52.1 C34_VOLT53.1 C34_VOLT54.1 C34_VOLT55.1 C34_VOLT56.1 C34_VOLT57.1 C34_VOLT58.1 C34_VOLT59.1 C34_VOLT60.1 C34_VOLT61.1 C34_VOLT62.1 C34_VOLT63.1 C34_VOLT64.1 C34_VOLT65.1 C34_VOLT66.1 C34_VOLT67.1 C34_VOLT68.1 C34_VOLT69.1 C34_VOLT70.1 C34_VOLT71.1 C34_VOLT72.1 C34_VOLT73.1 C34_VOLT74.1 C34_VOLT75.1 C34_VOLT76.1 C34_VOLT77.1 C34_VOLT78.1 C34_VOLT79.1 C34_VOLT80.1 C34_VOLT81.1 C34_VOLT82.1 C34_VOLT83.1 C34_VOLT84.1 C34_VOLT85.1 C34_VOLT86.1 C34_VOLT87.1 C34_VOLT88.1 C34_VOLT89.1 C34_VOLT90.1 C34_VOLT91.1 C34_VOLT92.1 C34_VOLT93.1 C34_VOLT94.1 C34_VOLT95.1 C34_VOLT96.1 C34_VOLT97.1 C34_VOLT98.1 C34_VOLT99.1 C34_VOLT100.1 C34_VOLT101.1 C34_VOLT102.1 C34_VOLT103.1 C34_VOLT104.1 C34_VOLT105.1 C34_VOLT106.1 C34_VOLT107.1 C34_VOLT108.1 C34_VOLT109.1 C34_VOLT110.1 C34_VOLT111.1 C34_VOLT112.1 C34_VOLT113.1 C34_VOLT114.1 C34_VOLT115.1 C34_VOLT116.1 C34_VOLT117.1 C34_VOLT118.1 C34_VOLT119.1 C34_VOLT120.1 C34_VOLT121.1 C34_VOLT122.1 C34_VOLT123.1 C34_VOLT124.1 C34_VOLT125.1 C34_VOLT126.1 C34_VOLT127.1 C34_VOLT128.1 C34_VOLT129.1 C34_VOLT130.1 C34_VOLT131.1 C34_VOLT132.1 C34_VOLT133.1 C34_VOLT134.1 C34_VOLT135.1 C34_VOLT136.1 C34_VOLT137.1 C34_VOLT138.1 C34_VOLT139.1 C34_VOLT140.1 C34_VOLT141.1 C34_VOLT142.1 C34_VOLT143.1 C34_VOLT144.1 C34_VOLT145.1 C34_VOLT146.1 C34_VOLT147.1 C34_VOLT148.1 C34_VOLT149.1 C34_VOLT150.1 D7.1 R45.1 U9_VOLT1.6 U9_VOLT2.6 U9_VOLT3.6 U9_VOLT4.6 U9_VOLT5.6 U9_VOLT6.6 U9_VOLT7.6 U9_VOLT8.6 U9_VOLT9.6 U9_VOLT10.6 U9_VOLT11.6 U9_VOLT12.6 U9_VOLT13.6 U9_VOLT14.6 U9_VOLT15.6 U9_VOLT16.6 U9_VOLT17.6 U9_VOLT18.6 U9_VOLT19.6 U9_VOLT20.6 U9_VOLT21.6 U9_VOLT22.6 U9_VOLT23.6 U9_VOLT24.6 U9_VOLT25.6 U9_VOLT26.6 U9_VOLT27.6 U9_VOLT28.6 U9_VOLT29.6 U9_VOLT30.6 U9_VOLT31.6 U9_VOLT32.6 U9_VOLT33.6 U9_VOLT34.6 U9_VOLT35.6 U9_VOLT36.6 U9_VOLT37.6 U9_VOLT38.6 U9_VOLT39.6 U9_VOLT40.6 U9_VOLT41.6 U9_VOLT42.6 U9_VOLT43.6 U9_VOLT44.6 U9_VOLT45.6 U9_VOLT46.6 U9_VOLT47.6 U9_VOLT48.6 U9_VOLT49.6 U9_VOLT50.6 U9_VOLT51.6 U9_VOLT52.6 U9_VOLT53.6 U9_VOLT54.6 U9_VOLT55.6 U9_VOLT56.6 U9_VOLT57.6 U9_VOLT58.6 U9_VOLT59.6 U9_VOLT60.6 U9_VOLT61.6 U9_VOLT62.6 U9_VOLT63.6 U9_VOLT64.6 U9_VOLT65.6 U9_VOLT66.6 U9_VOLT67.6 U9_VOLT68.6 U9_VOLT69.6 U9_VOLT70.6 U9_VOLT71.6 U9_VOLT72.6 U9_VOLT73.6 U9_VOLT74.6 U9_VOLT75.6 U9_VOLT76.6 U9_VOLT77.6 U9_VOLT78.6 U9_VOLT79.6 U9_VOLT80.6 U9_VOLT81.6 U9_VOLT82.6 U9_VOLT83.6 U9_VOLT84.6 U9_VOLT85.6 U9_VOLT86.6 U9_VOLT87.6 U9_VOLT88.6 U9_VOLT89.6 U9_VOLT90.6 U9_VOLT91.6 U9_VOLT92.6 U9_VOLT93.6 U9_VOLT94.6 U9_VOLT95.6 U9_VOLT96.6 U9_VOLT97.6 U9_VOLT98.6 U9_VOLT99.6 U9_VOLT100.6 U9_VOLT101.6 U9_VOLT102.6 U9_VOLT103.6 U9_VOLT104.6 U9_VOLT105.6 U9_VOLT106.6 U9_VOLT107.6 U9_VOLT108.6 U9_VOLT109.6 U9_VOLT110.6 U9_VOLT111.6 U9_VOLT112.6 U9_VOLT113.6 U9_VOLT114.6 U9_VOLT115.6 U9_VOLT116.6 U9_VOLT117.6 U9_VOLT118.6 U9_VOLT119.6 U9_VOLT120.6 U9_VOLT121.6 U9_VOLT122.6 U9_VOLT123.6 U9_VOLT124.6 U9_VOLT125.6 U9_VOLT126.6 U9_VOLT127.6 U9_VOLT128.6 U9_VOLT129.6 U9_VOLT130.6 U9_VOLT131.6 U9_VOLT132.6 U9_VOLT133.6 U9_VOLT134.6 U9_VOLT135.6 U9_VOLT136.6 U9_VOLT137.6 U9_VOLT138.6 U9_VOLT139.6 U9_VOLT140.6 U9_VOLT141.6 U9_VOLT142.6 U9_VOLT143.6 U9_VOLT144.6 U9_VOLT145.6 U9_VOLT146.6 U9_VOLT147.6 U9_VOLT148.6 U9_VOLT149.6 U9_VOLT150.6
X_25M_IO1: P1_IO1.27 U1_IO1.3 | length 146.5
  Top Layer w10: U1_IO1.3@1644.96,2987.32 1647.36,2984.92 P1_IO1.27@1790.51,2984.92
X_25M_IO2: P1_IO2.27 U1_IO2.3
X_25M_IO3: P1_IO3.27 U1_IO3.3
X_25M_IO4: P1_IO4.27 U1_IO4.3
XSIG: P1_IO1.26 P1_IO2.26 P1_IO3.26 P1_IO4.26 | length 77.2
  Top Layer w7: 1713.31,3004.61 P1_IO1.26@1790.51,3004.61
pads on no net: J1.9 J1.10 J1.11 J1.12 J1.MH3 J1.MH4 L6.3 L6.4 P1_IO1.145 P1_IO2.145 P1_IO3.145 P1_IO4.145 P2.13 P2.14 P2.15 P2.16 P2.17 P2.18 P2.19 P2.20 P2.21 P2.22 P2.23 P2.24 P2.25 P2.26 P2.27 P2.28 P2.29 P2.30 P2.31 P2.32 P2.33 P2.34 P2.35 P2.36 P2.37 P2.38 P2.39 P2.40 P3.6 P3.7 P3.8 P4.1 P4.2 P4.3 P4.4 P4.5 P4.6 P4.7 P4.8 P4.9 P4.10 P4.11 P4.12 P4.13 P4.14 P4.15 P4.16 P4.17 P4.18 P4.19 P4.20 P4.21 P4.22 P4.23 P4.24 P4.25 P4.26 P4.27 P4.28 P4.29 P4.30 P4.31 P4.32 P4.33 P4.34 P4.35 P4.36 P4.37 P4.38 P4.39 P4.40 P5.1 P5.2 P5.3 P5.4 P5.5 P5.6 P5.7 P5.8 P5.9 P5.10 P5.11 P5.12 P5.13 P5.14 P5.15 P5.16 P5.17 P5.18 P5.19 P5.20 P5.21 P5.22 P5.23 P5.24 P5.25 P5.26 P5.27 P5.28 P5.29 P5.30 P5.31 P5.32 P5.33 P5.34 P5.35 P5.36 P5.37 P5.38 P5.39 P5.40 P6.1 P6.2 P6.3 P6.4 P6.5 P6.6 P6.7 P6.8 P6.9 P6.10 P6.11 P6.12 P6.13 P6.14 P6.15 P6.16 P6.17 P6.18 P6.19 P6.20 P6.21 P6.22 P6.23 P6.24 P6.25 P6.26 P6.27 P6.28 P6.29 P6.30 P6.31 P6.32 P6.33 P6.34 P6.35 P6.36 P6.37 P6.38 P6.39 P6.40 P7.1 P7.2 P7.3 P7.4 P7.5 P7.6 P7.7 P7.8 P7.9 P7.10 P7.11 P7.12 P7.13 P7.14 P7.15 P7.16 P7.17 P7.18 P7.19 P7.20 P7.21 P7.22 P7.23 P7.24 P7.25 P7.26 P7.27 P7.28 P7.29 P7.30 P7.31 P7.32 P7.33 P7.34 P7.35 P7.36 P7.37 P7.38 P7.39 P7.40 P8.1 P8.2 P8.3 P8.4 P8.5 P8.6 P8.7 P8.8 P8.9 P8.10 P8.11 P8.12 P8.13 P8.14 P8.15 P8.16 P8.17 P8.18 P8.19 P8.20 P8.21 P8.22 P8.23 P8.24 P8.25 P8.26 P8.27 P8.28 P8.29 P8.30 P8.31 P8.32 P8.33 P8.34 P8.35 P8.36 P8.37 P8.38 P8.39 P8.40 P9.1 P9.2 P9.3 P9.4 P9.5 P9.6 P9.7 P9.8 P9.9 P9.10 P9.11 P9.12 P9.13 P9.14 P9.15 P9.16 P9.17 P9.18 P9.19 P9.20 P9.21 P9.22 P9.23 P9.24 P9.25 P9.26 P9.27 P9.28 P9.29 P9.30 P9.31 P9.32 P9.33 P9.34 P9.35 P9.36 P9.37 P9.38 P9.39 P9.40 P10.1 P10.2 P10.3 P10.4 P10.5 P10.6 P10.7 P10.8 P10.9 P10.10 P10.11 P10.12 P10.13 P10.14 P10.15 P10.16 P10.17 P10.18 P10.19 P10.20 P10.21 P10.22 P10.23 P10.24 P10.25 P10.26 P10.27 P10.28 P10.29 P10.30 P10.31 P10.32 P10.33 P10.34 P10.35 P10.36 P10.37 P10.38 P10.39 P10.40 U2.11 U2.12 U2.13 U2.14 U9_VOLT1.1 U9_VOLT1.8 U9_VOLT2.1 U9_VOLT2.8 U9_VOLT3.1 U9_VOLT3.8 U9_VOLT4.1 U9_VOLT4.8 U9_VOLT5.1 U9_VOLT5.8 U9_VOLT6.1 U9_VOLT6.8 U9_VOLT7.1 U9_VOLT7.8 U9_VOLT8.1 U9_VOLT8.8 U9_VOLT9.1 U9_VOLT9.8 U9_VOLT10.1 U9_VOLT10.8 U9_VOLT11.1 U9_VOLT11.8 U9_VOLT12.1 U9_VOLT12.8 U9_VOLT13.1 U9_VOLT13.8 U9_VOLT14.1 U9_VOLT14.8 U9_VOLT15.1 U9_VOLT15.8 U9_VOLT16.1 U9_VOLT16.8 U9_VOLT17.1 U9_VOLT17.8 U9_VOLT18.1 U9_VOLT18.8 U9_VOLT19.1 U9_VOLT19.8 U9_VOLT20.1 U9_VOLT20.8 U9_VOLT21.1 U9_VOLT21.8 U9_VOLT22.1 U9_VOLT22.8 U9_VOLT23.1 U9_VOLT23.8 U9_VOLT24.1 U9_VOLT24.8 U9_VOLT25.1 U9_VOLT25.8 U9_VOLT26.1 U9_VOLT26.8 U9_VOLT27.1 U9_VOLT27.8 U9_VOLT28.1 U9_VOLT28.8 U9_VOLT29.1 U9_VOLT29.8 U9_VOLT30.1 U9_VOLT30.8 U9_VOLT31.1 U9_VOLT31.8 U9_VOLT32.1 U9_VOLT32.8 U9_VOLT33.1 U9_VOLT33.8 U9_VOLT34.1 U9_VOLT34.8 U9_VOLT35.1 U9_VOLT35.8 U9_VOLT36.1 U9_VOLT36.8 U9_VOLT37.1 U9_VOLT37.8 U9_VOLT38.1 U9_VOLT38.8 U9_VOLT39.1 U9_VOLT39.8 U9_VOLT40.1 U9_VOLT40.8 U9_VOLT41.1 U9_VOLT41.8 U9_VOLT42.1 U9_VOLT42.8 U9_VOLT43.1 U9_VOLT43.8 U9_VOLT44.1 U9_VOLT44.8 U9_VOLT45.1 U9_VOLT45.8 U9_VOLT46.1 U9_VOLT46.8 U9_VOLT47.1 U9_VOLT47.8 U9_VOLT48.1 U9_VOLT48.8 U9_VOLT49.1 U9_VOLT49.8 U9_VOLT50.1 U9_VOLT50.8 U9_VOLT51.1 U9_VOLT51.8 U9_VOLT52.1 U9_VOLT52.8 U9_VOLT53.1 U9_VOLT53.8 U9_VOLT54.1 U9_VOLT54.8 U9_VOLT55.1 U9_VOLT55.8 U9_VOLT56.1 U9_VOLT56.8 U9_VOLT57.1 U9_VOLT57.8 U9_VOLT58.1 U9_VOLT58.8 U9_VOLT59.1 U9_VOLT59.8 U9_VOLT60.1 U9_VOLT60.8 U9_VOLT61.1 U9_VOLT61.8 U9_VOLT62.1 U9_VOLT62.8 U9_VOLT63.1 U9_VOLT63.8 U9_VOLT64.1 U9_VOLT64.8 U9_VOLT65.1 U9_VOLT65.8 U9_VOLT66.1 U9_VOLT66.8 U9_VOLT67.1 U9_VOLT67.8 U9_VOLT68.1 U9_VOLT68.8 U9_VOLT69.1 U9_VOLT69.8 U9_VOLT70.1 U9_VOLT70.8 U9_VOLT71.1 U9_VOLT71.8 U9_VOLT72.1 U9_VOLT72.8 U9_VOLT73.1 U9_VOLT73.8 U9_VOLT74.1 U9_VOLT74.8 U9_VOLT75.1 U9_VOLT75.8 U9_VOLT76.1 U9_VOLT76.8 U9_VOLT77.1 U9_VOLT77.8 U9_VOLT78.1 U9_VOLT78.8 U9_VOLT79.1 U9_VOLT79.8 U9_VOLT80.1 U9_VOLT80.8 U9_VOLT81.1 U9_VOLT81.8 U9_VOLT82.1 U9_VOLT82.8 U9_VOLT83.1 U9_VOLT83.8 U9_VOLT84.1 U9_VOLT84.8 U9_VOLT85.1 U9_VOLT85.8 U9_VOLT86.1 U9_VOLT86.8 U9_VOLT87.1 U9_VOLT87.8 U9_VOLT88.1 U9_VOLT88.8 U9_VOLT89.1 U9_VOLT89.8 U9_VOLT90.1 U9_VOLT90.8 U9_VOLT91.1 U9_VOLT91.8 U9_VOLT92.1 U9_VOLT92.8 U9_VOLT93.1 U9_VOLT93.8 U9_VOLT94.1 U9_VOLT94.8 U9_VOLT95.1 U9_VOLT95.8 U9_VOLT96.1 U9_VOLT96.8 U9_VOLT97.1 U9_VOLT97.8 U9_VOLT98.1 U9_VOLT98.8 U9_VOLT99.1 U9_VOLT99.8 U9_VOLT100.1 U9_VOLT100.8 U9_VOLT101.1 U9_VOLT101.8 U9_VOLT102.1 U9_VOLT102.8 U9_VOLT103.1 U9_VOLT103.8 U9_VOLT104.1 U9_VOLT104.8 U9_VOLT105.1 U9_VOLT105.8 U9_VOLT106.1 U9_VOLT106.8 U9_VOLT107.1 U9_VOLT107.8 U9_VOLT108.1 U9_VOLT108.8 U9_VOLT109.1 U9_VOLT109.8 U9_VOLT110.1 U9_VOLT110.8 U9_VOLT111.1 U9_VOLT111.8 U9_VOLT112.1 U9_VOLT112.8 U9_VOLT113.1 U9_VOLT113.8 U9_VOLT114.1 U9_VOLT114.8 U9_VOLT115.1 U9_VOLT115.8 U9_VOLT116.1 U9_VOLT116.8 U9_VOLT117.1 U9_VOLT117.8 U9_VOLT118.1 U9_VOLT118.8 U9_VOLT119.1 U9_VOLT119.8 U9_VOLT120.1 U9_VOLT120.8 U9_VOLT121.1 U9_VOLT121.8 U9_VOLT122.1 U9_VOLT122.8 U9_VOLT123.1 U9_VOLT123.8 U9_VOLT124.1 U9_VOLT124.8 U9_VOLT125.1 U9_VOLT125.8 U9_VOLT126.1 U9_VOLT126.8 U9_VOLT127.1 U9_VOLT127.8 U9_VOLT128.1 U9_VOLT128.8 U9_VOLT129.1 U9_VOLT129.8 U9_VOLT130.1 U9_VOLT130.8 U9_VOLT131.1 U9_VOLT131.8 U9_VOLT132.1 U9_VOLT132.8 U9_VOLT133.1 U9_VOLT133.8 U9_VOLT134.1 U9_VOLT134.8 U9_VOLT135.1 U9_VOLT135.8 U9_VOLT136.1 U9_VOLT136.8 U9_VOLT137.1 U9_VOLT137.8 U9_VOLT138.1 U9_VOLT138.8 U9_VOLT139.1 U9_VOLT139.8 U9_VOLT140.1 U9_VOLT140.8 U9_VOLT141.1 U9_VOLT141.8 U9_VOLT142.1 U9_VOLT142.8 U9_VOLT143.1 U9_VOLT143.8 U9_VOLT144.1 U9_VOLT144.8 U9_VOLT145.1 U9_VOLT145.8 U9_VOLT146.1 U9_VOLT146.8 U9_VOLT147.1 U9_VOLT147.8 U9_VOLT148.1 U9_VOLT148.8 U9_VOLT149.1 U9_VOLT149.8 U9_VOLT150.1 U9_VOLT150.8 U14.6 U15.16 U15.17 U15.18 U15.19 U15.20 U15.21
copper on no net:
  other v1: 1430,2800

## Text inside footprints (layer, text, board x,y; h text height)
P2: Top Overlay "1" at 8260,2560 h50 r90; Top Overlay "2" at 8160,2560 h50 r90; Top Overlay "40" at 8160,4640 h50 r90; Top Overlay "39" at 8260,4640 h50 r90
P3: Top Overlay "10" at 8265,1635 h50 r90; Top Overlay "9" at 8365,1635 h50 r90; Top Overlay "1" at 8365,1095 h50 r90; Top Overlay "2" at 8265,1075 h50 r90
P4: Top Overlay "1" at 8515,2560 h50 r90; Top Overlay "2" at 8415,2560 h50 r90; Top Overlay "40" at 8415,4640 h50 r90; Top Overlay "39" at 8515,4640 h50 r90
P5: Top Overlay "1" at 8775,2560 h50 r90; Top Overlay "2" at 8675,2560 h50 r90; Top Overlay "40" at 8675,4640 h50 r90; Top Overlay "39" at 8775,4640 h50 r90
P6: Top Overlay "1" at 9030,2560 h50 r90; Top Overlay "2" at 8930,2560 h50 r90; Top Overlay "40" at 8930,4640 h50 r90; Top Overlay "39" at 9030,4640 h50 r90
P7: Top Overlay "1" at 8000,2560 h50 r90; Top Overlay "2" at 7900,2560 h50 r90; Top Overlay "40" at 7900,4640 h50 r90; Top Overlay "39" at 8000,4640 h50 r90
P8: Top Overlay "1" at 7225,2560 h50 r90; Top Overlay "2" at 7125,2560 h50 r90; Top Overlay "40" at 7125,4640 h50 r90; Top Overlay "39" at 7225,4640 h50 r90
P9: Top Overlay "1" at 7485,2560 h50 r90; Top Overlay "2" at 7385,2560 h50 r90; Top Overlay "40" at 7385,4640 h50 r90; Top Overlay "39" at 7485,4640 h50 r90
P10: Top Overlay "1" at 7740,2560 h50 r90; Top Overlay "2" at 7640,2560 h50 r90; Top Overlay "40" at 7640,4640 h50 r90; Top Overlay "39" at 7740,4640 h50 r90